# Allegro board CATALYSTK_260108.brd (continued)
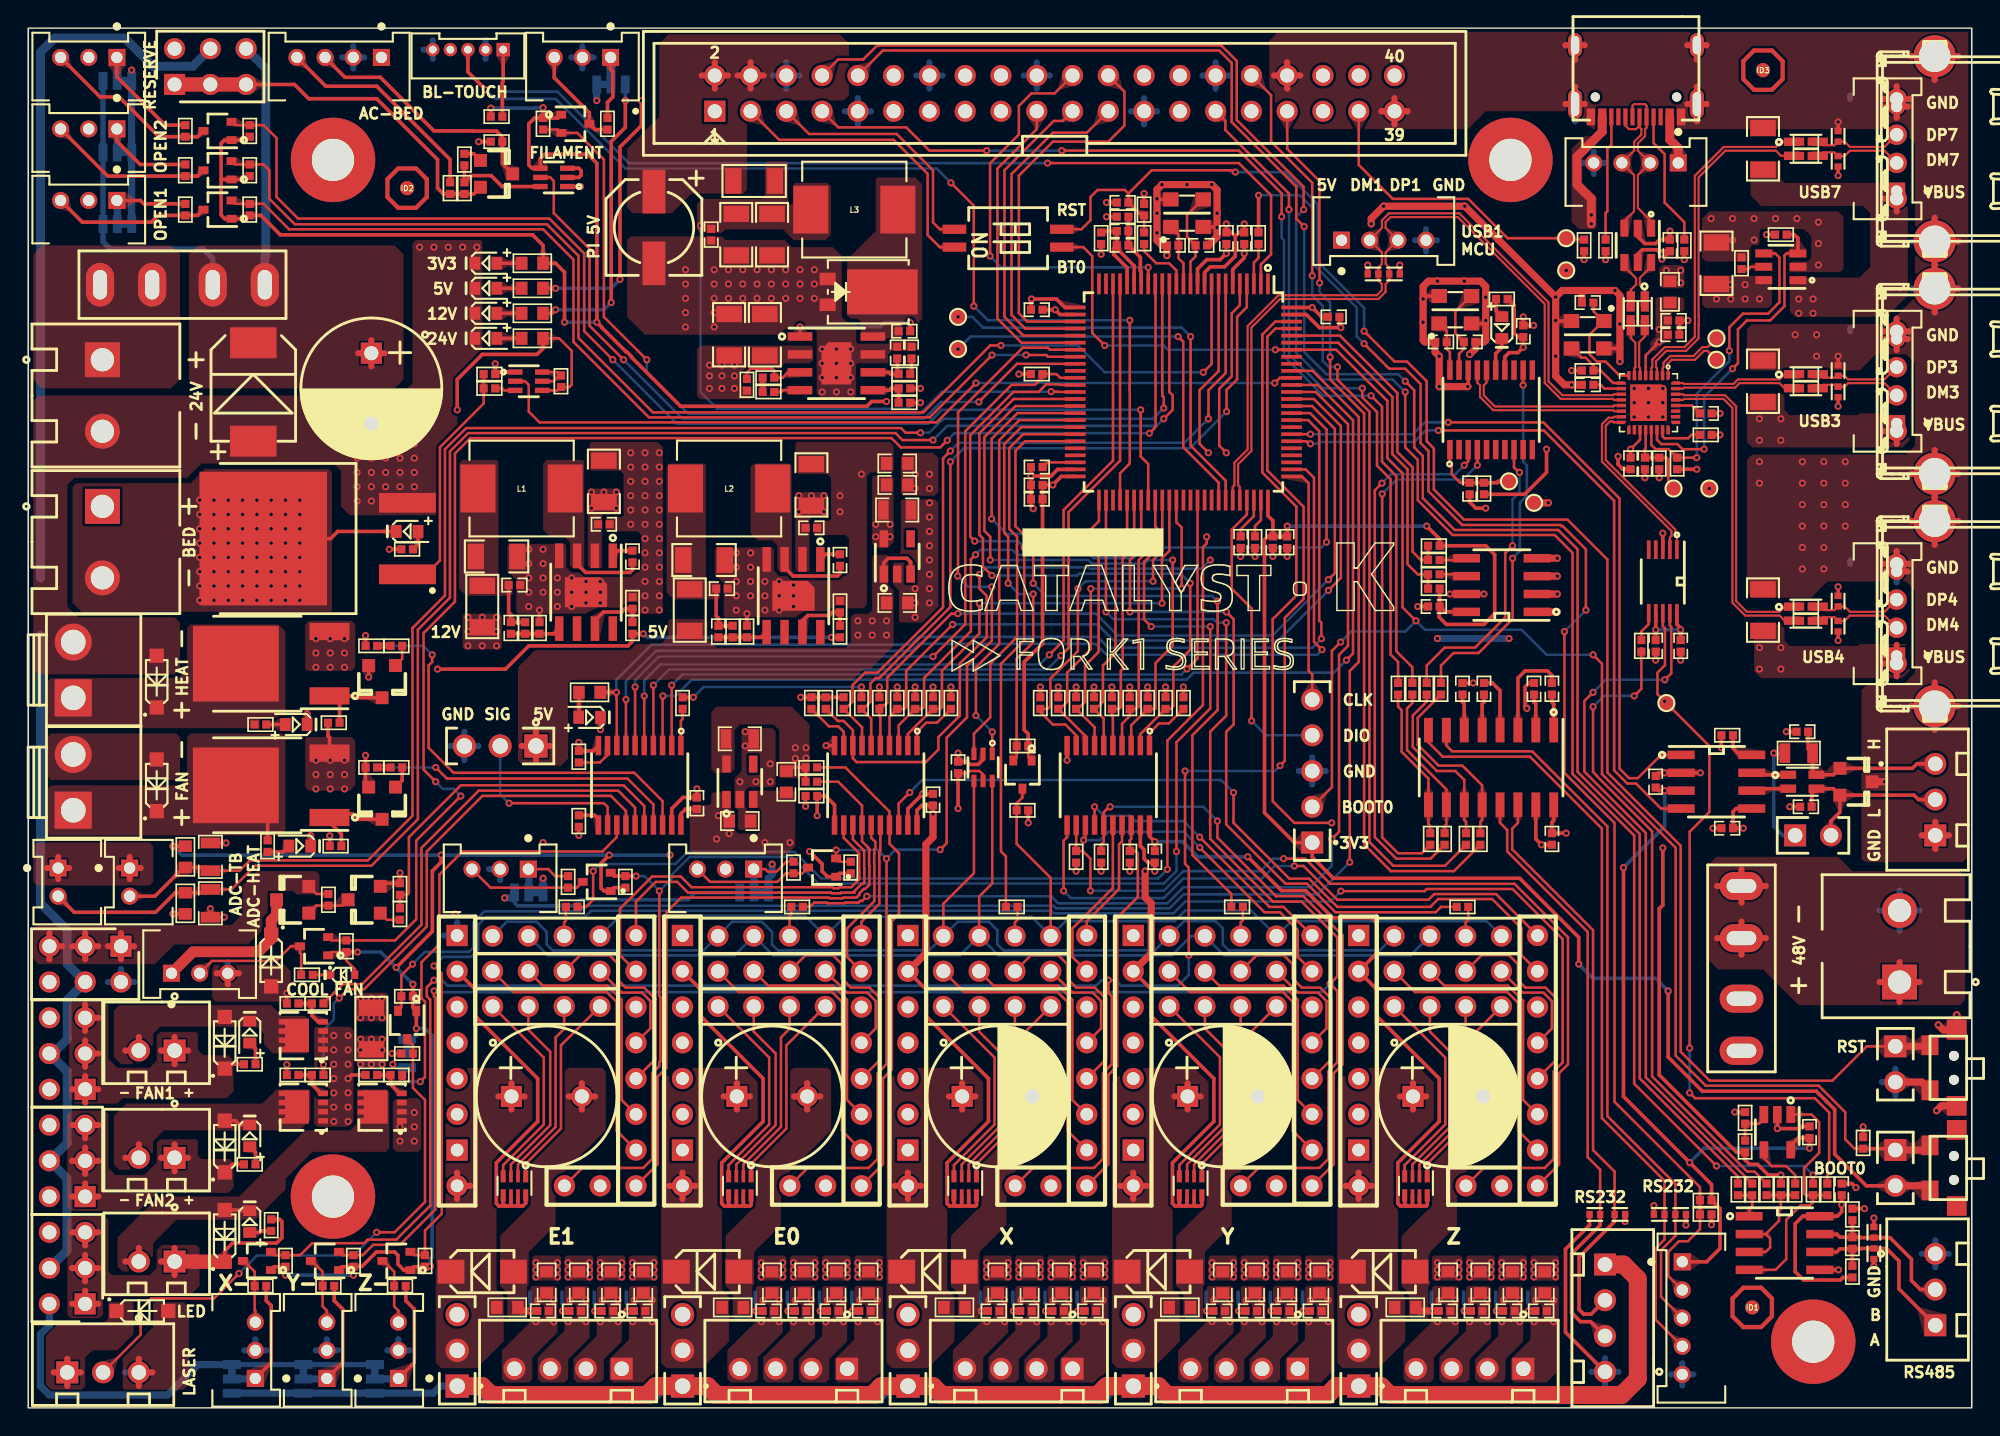
[diagram p0: board, top side]
## Routing (per net, layer and track width the routed paths; a pad name or vN(x,y) marks a point on that pad's centre or on a via; arc(x,y) is an arc through that point) (continued)
N297731: length 50.5
  TOP w0.178: v1(91.04,68.48) 90.91,68.48 90.73,68.66 U7.81 ; v1(100.12,69.43) 107.61,69.43 112.61,64.43 112.61,45.28 113.54,44.35 114.16,44.35 115.93,42.57 U15.4
  BOTTOM w0.178: v1(91.04,68.48) 91.51,68.48 91.64,68.6 98.41,68.6 99.23,69.43 v1(100.12,69.43)
N298795: length 8.9
  TOP w0.178: MD1.8 75.16,34.56 77.45,36.85 77.45,40.03 77.67,40.24 U9.17
N298801: length 12
  TOP w0.178: U9.16 77.02,36.93 74.14,34.05 74.14,32.03 MD1.7
N298807: length 27.6
  TOP w0.178: U9.18 78.32,40.41 78.21,40.31 R139.2 78.63,39.55 78.79,39.39 78.79,36.28 77.33,34.82 77.33,24.28 76.69,23.64 76.69,17.3 MD1.1
N298813: length 46.7
  TOP w0.178: U7.37 73.24,72.66 73.2,72.7 72.28,72.7 71.74,72.16 69.96,72.16 66.89,69.09 66.89,61.88 v1(67.21,61.56) ; R140.1 69.42,39.17 69.07,39.52 69.07,52.85 70.72,54.51 v1(70.72,61.11)
  BOTTOM w0.178: v1(70.72,61.11) 70.27,61.56 v1(67.21,61.56)
N299606: length 20.5
  TOP w0.178: MD2.8 89.13,35.58 88.13,35.58 v1(83.18,40.54) ; U9.14 v1(75.71,42.69)
  BOTTOM w0.178: v1(83.18,40.54) 82.04,41.68 78.6,41.68 78.21,42.06 76.35,42.06 v1(75.71,42.69)
N299612: length 22.8
  TOP w0.178: U9.13 75.06,40.46 v1(74.94,40.33) ; MD2.7 90.14,32.03 90.14,33.94 88.88,35.2 87.78,35.2 v1(83.19,39.79)
  BOTTOM w0.178: v1(83.19,39.79) 82.06,40.92 76.69,40.92 76.11,40.33 v1(74.94,40.33)
N299618: length 43.1
  TOP w0.178: v1(76.82,42.69) 76.76,42.69 76.37,42.3 U9.15 76.37,40.2 76.18,40.02 R142.2 ; v1(84.44,41.68) 84.44,40.5 88.6,36.34 90.53,36.34 93.33,33.55 93.33,24.41 92.69,23.77 92.69,17.3 MD2.1
  BOTTOM w0.178: v1(84.44,41.68) 83.42,42.69 v1(76.82,42.69)
N299624: length 51.7
  TOP w0.178: R143.1 85.42,36.5 82.66,39.27 82.66,47.77 84.45,49.57 84.45,56.81 84.44,56.83 v1(84.44,57.3) ; v1(71.36,58.57) 71.36,61.36 70.1,62.62 70.1,67.98 70.78,68.66 U7.45
  BOTTOM w0.178: v1(84.44,57.3) 84.07,57.67 72.25,57.67 72.25,57.68 v1(71.36,58.57)
N301769: length 49.8
  TOP w0.178: U7.57 79.02,61.03 78.23,60.23 v1(78.23,56.54) ; R152.1 100.31,35.58 99.93,35.2 92.82,35.2 90.79,37.23 89.27,37.23 85.06,41.44 85.06,48.02 85.59,48.55 85.59,56.02 v1(85.07,56.54)
  BOTTOM w0.178: v1(78.23,56.54) v1(85.07,56.54)
N301775: length 61.1
  TOP w0.178: MD5.1 108.69,17.3 108.69,23.77 109.33,24.41 109.33,33.42 105.53,37.22 92.45,37.22 90.66,39.01 v1(89.14,39.01) ; U9.12 74.41,40.07 74.4,40.06 R151.2 74.88,39.55 75.42,39.01 v1(75.42,36.73)
  BOTTOM w0.178: v1(89.14,39.01) 88.37,39.01 87.49,38.12 82.02,38.12 80.63,36.73 v1(75.42,36.73)
N301781: length 42
  TOP w0.178: v1(89.9,38.49) 90.55,38.49 92.95,36.09 99.42,36.09 99.83,36.49 104.22,36.49 MD5.8 ; v1(73.52,36.73) 73.52,40.28 73.76,40.53 U9.11
  BOTTOM w0.178: v1(73.52,36.73) 74.04,36.21 80.61,36.21 82.01,37.6 87.6,37.6 88.49,38.49 v1(89.9,38.49)
N301787: length 56.1
  TOP w0.178: U11.18 61.81,42.92 v1(62.59,43.71) ; MD5.7 106.03,32.15 106.03,34.06 103.95,36.14 100.11,36.14 99.55,35.58 92.95,35.58 90.94,37.59 89.55,37.59 85.58,41.55 v1(85.58,43.71)
  BOTTOM w0.178: v1(62.59,43.71) 63.48,44.6 84.69,44.6 v1(85.58,43.71)
N303395: length 76
  TOP w0.178: v1(59.55,36.34) 59.21,36 59.07,36 58.95,35.89 58.02,35.89 57.97,35.84 56.76,35.84 56.71,35.89 55.81,35.89 55.51,35.58 R146.1 ; U7.88 91.42,72.16 93.71,69.87 93.71,54.12 93.07,53.49 93.07,40.92 v1(92.57,40.41)
  BOTTOM w0.178: v1(92.57,40.41) 92.57,38.5 91.04,36.98 82.02,36.98 80.88,35.84 73.13,35.84 72.63,36.34 v1(59.55,36.34)
N303405: length 34.4
  TOP w0.178: MD3.1 60.69,17.3 60.69,23.39 61.32,24.03 61.32,34.57 61.83,35.07 61.83,39.39 61.16,40.07 U11.17 61.16,42.35 58.02,45.49 R145.2
N303411: length 8.4
  TOP w0.178: U11.16 60.51,39.59 60.43,39.52 60.43,39.24 60.42,39.23 60.42,38.8 60.43,38.78 60.43,35.8 59.16,34.52 MD3.8
N303417: length 11.8
  TOP w0.178: U11.15 59.86,40.49 60.15,40.2 60.15,39.74 60.08,39.67 60.08,39.39 60.07,39.38 60.07,38.65 60.08,38.64 60.08,35.99 58.14,34.05 58.14,32.03 MD3.7
N304332: length 89.4
  TOP w0.178: v1(40.11,38.12) 40.11,36.09 39.61,35.58 R149.1 ; v1(83.8,67.84) 83.17,68.48 83.17,72.29 84.52,73.64 U7.8 ; v1(80.88,38.25) 80.88,47.39 83.41,49.92 83.41,61.13 83.68,61.4 v1(83.68,61.87)
  ART03 w0.178: v1(83.68,61.87) 83.68,62.34 83.8,62.47 v1(83.8,67.84)
  BOTTOM w0.178: v1(40.11,38.12) 40.62,38.63 45.96,38.63 46.82,39.49 54.4,39.49 56.29,37.6 80.21,37.6 80.22,37.61 80.25,37.61 v1(80.88,38.25)
N304338: length 45.4
  TOP w0.178: MD4.1 44.69,17.3 44.69,23.52 45.32,24.15 45.32,35.2 46.36,36.24 56.86,36.24 56.91,36.2 57.83,36.2 57.87,36.24 58.8,36.24 58.92,36.36 58.93,36.36 59.02,36.46 59.02,36.56 59.33,36.86 59.43,36.86 59.65,37.08 59.65,37.09 59.65,37.09 59.65,37.09 59.72,37.17 59.72,38.49 59.71,38.5 59.71,39.52 59.72,39.54 59.72,39.68 59.65,39.75 59.65,39.79 59.2,40.24 U11.14 59.2,42.78 57.51,44.47 R148.2
N304344: length 24.3
  TOP w0.178: U11.13 58.55,40.38 59.29,39.65 59.29,39.61 59.35,39.54 59.35,38.35 59.37,38.34 59.37,37.32 59.29,37.24 59.29,37.23 59.27,37.22 59.18,37.22 58.67,36.7 58.67,36.61 58.66,36.6 57.73,36.6 57.68,36.55 57.05,36.55 57.01,36.6 46.85,36.6 46.08,37.36 44.56,37.36 43.15,35.96 MD4.8
N304350: length 27.8
  TOP w0.178: MD4.7 42.02,32.15 42.02,35.46 44.31,37.74 46.34,37.74 47.1,36.98 57.13,36.98 57.2,36.91 57.53,36.91 57.6,36.98 58.44,36.98 59.01,37.55 59.01,38.19 59,38.21 59,39.4 57.9,40.49 U11.12
N315848: length 2
  TOP w0.178: U10.6 102,59.2 R34.1
N315870: length 2
  TOP w0.178: R35.1 102,60.22 U10.5
N320178: length 14.7
  TOP w0.254: R87.1 14.26,24.41 D15.1
  TOP w0.432: 10.4,24.42 J25.1 ; J25.1 9.44,25.38 ; J25.1 10.4,26.34 ; J25.1 11.36,25.38 ; J21.3 4.98,25.17 ; J21.3 4.05,24.23 ; J21.3 4.05,26.1 ; J21.5 4.98,27.71 ; J21.5 4.05,28.64 ; J21.5 4.05,26.77 ; J21.1 4.05,23.56 ; J21.1 4.98,22.63 ; J21.1 3.11,22.63 ; J21.1 4.05,21.69
N320190: length 14.8
  TOP w0.254: R88.1 14.52,17.29 D16.1
  TOP w0.432: J22.3 4.05,18.48 ; J22.3 3.11,17.55 ; J22.3 4.98,17.55 ; J22.3 4.05,16.61 ; 3.11,20.09 J22.5 ; J22.5 4.05,19.15 ; J22.5 4.98,20.09 ; J26.1 11.36,17.76 ; J26.1 9.44,17.76 ; J26.1 10.4,18.72 ; J26.1 10.4,16.8 ; J22.1 4.05,15.94 ; J22.1 3.11,15.01 ; J22.1 4.98,15.01
N320362: length 1.9
  TOP w0.432: 6.9,25.38 J25.2 7.86,26.34
N320378: length 3.8
  TOP w0.254: D19.1 15.01,20.1 14.71,20.4 D16.2
  TOP w0.432: 7.86,18.72 J26.2 6.9,17.76
N320394: length 1.7
  TOP w0.254: R87.2 16.14,25.51 D18.2
N320418: length 1.4
  TOP w0.254: D19.2 16.14,18.14 R88.2
N320562: length 2.8
  TOP w0.254: Q10.4 20.6,27.41 20.14,27.87 R91.1 R93.1
N320578: length 2.7
  TOP w0.254: R94.1 R90.1 20.14,22.98 20.79,22.33 Q11.4
N321285: length 23
  TOP w0.254: R89.1 17.86,13.39 18.02,13.23 18.02,12.09 17.64,11.71 14.52,11.71 13.95,11.14 D17.1
  TOP w0.432: J23.5 4.98,12.47 ; J23.5 4.05,11.53 ; J23.5 3.11,12.47 ; 3.11,7.39 J23.1 ; J23.1 4.98,7.39 ; J23.1 4.05,8.32 ; J23.3 4.05,10.86 ; J23.3 3.11,9.93 ; J23.3 4.05,8.99 ; J23.3 4.98,9.93 ; 10.4,9.43 J27.1 ; J27.1 9.44,10.39 ; J27.1 10.4,11.35
  TOP w1.016: D17.1 11.83,10.38 11.81,10.39 J27.1
N321377: length 3.7
  TOP w0.254: D20.1 15.02,14.01 14.97,14.05 D17.2
  TOP w0.432: 6.9,10.39 J27.2 7.86,11.35
N321393: length 1.6
  TOP w0.254: R89.2 16.55,12.57 16.44,12.46 D20.2
N321473: length 2.7
  TOP w0.254: Q12.4 26.38,22.33 25.73,22.98 R92.1 R95.1
N349182: length 1.8
  TOP w0.254: R11.1 D5.2
N350077: length 2.6
  TOP w0.254: U15.7 122.51,44.97 L4.1
N350215: length 2.6
  TOP w0.254: L4.3 122.51,43.98 U15.6
N350345: length 2.4
  TOP w0.254: U15.8 121.52,46.38 121.04,46.86 R116.1
N361875: length 25.8
  TOP w0.178: U8.16 43.74,42.75 42.27,44.22 30.72,44.22 27.03,40.53 27.03,36.57 26.91,36.44 R102.1 R101.2
N362569: length 17.3
  TOP w0.432: 119.92,33.37 F3.1_1 ; F3.1_1 121.65,34.55 ; F3.1_1 121.65,32.18 ; F3.1_1 123.38,33.37 ; 119.92,37.07 F3.1 ; F3.1 121.65,35.89 ; F3.1 121.65,38.25 ; F3.1 123.38,37.07 ; 132.87,28.83 J2.1 ; J2.1 134.29,30.25 ; J2.1 132.87,31.67 ; J2.1 131.45,30.25
N376506: length 20.8
  TOP w0.178: U18.8 105.49,66.8 105.85,66.44 v1(105.89,66.44) ; R103.1 99.3,52.73 100.57,54 102.73,54 104.87,56.14 104.87,60.72 v1(105.39,61.24)
  BOTTOM w0.178: v1(105.89,66.44) 105.89,65.03 105.39,64.54 v1(105.39,61.24)
N376510: length 25.9
  TOP w0.178: v1(105.39,60.35) 105.39,56.03 102.98,53.62 101.2,53.62 100.31,52.73 R104.1 ; U18.12 v1(106.14,72.64)
  BOTTOM w0.178: v1(105.39,60.35) 105.91,60.87 105.91,64.3 106.41,64.79 106.41,66.95 106.14,67.22 v1(106.14,72.64)
N376932: length 38.9
  TOP w0.178: v1(96.12,65.68) 95.61,65.17 95.61,40.54 97.14,39.01 99.58,39.01 100.56,40 R105.1 ; v1(101.96,66.95) 102.24,67.23 U18.3
  BOTTOM w0.178: v1(101.96,66.95) 101.33,66.32 96.76,66.32 v1(96.12,65.68)
N376936: length 37.2
  TOP w0.178: v1(96.13,64.92) 96.13,40.52 97.26,39.39 98.94,39.39 99.55,40 R106.1 ; v1(102.89,66.95) U18.4
  BOTTOM w0.178: v1(102.89,66.95) 101.88,65.94 97.15,65.94 v1(96.13,64.92)
N378040: length 51.9
  TOP w0.178: v1(117.97,22.37) 118.35,21.99 126.86,21.99 127.87,20.98 127.87,17.42 127.74,17.29 R111.1 ; v1(117.97,25.55) 117.97,40.92 119.36,42.31 119.36,47.01 T5.1 ; v1(116.19,50.19) 115.68,50.7 115.68,52.22 116.21,52.75 116.21,55.37 116.06,55.52 U17.8
  BOTTOM w0.178: v1(117.97,25.55) v1(117.97,22.37)
N378044: length 50.5
  TOP w0.178: v1(116.2,51.71) 116.66,52.17 116.66,55.46 116.56,55.56 U17.9 ; R109.1 122.41,15.93 114.85,23.48 114.85,40.83 110.49,45.2 110.49,50.21 v1(111.11,50.82)
  BOTTOM w0.178: v1(111.11,50.82) 112,51.71 v1(116.2,51.71)
N378050: length 46.1
  TOP w0.178: v1(114.03,50.57) 114.54,51.08 R156.1 114.54,53.97 ; v1(111.11,49.81) 111.11,45.17 111.39,44.89 111.39,44.86 115.3,40.95 115.3,23.54 122.05,16.79 122.57,16.79 123.42,15.93 R171.1
  BOTTOM w0.178: v1(114.03,50.57) 111.87,50.57 v1(111.11,49.81)
N378747: length 17.6
  TOP w0.178: 65.78,83.72 64.73,83.72 64.24,84.2 64.24,87.91 61.67,90.48 55.44,90.48 J33.5
N378751: length 21
  TOP w0.178: J33.3 53.32,90.07 61.45,90.07 63.86,87.65 63.86,83.31 64.73,82.45 SW1.4
N383272: length 53.9
  TOP w0.178: v1(72.63,72.18) 73.1,72.18 73.12,72.16 U7.38 ; R136.2 37.61,90.8 Q25.2 38.99,90.56 40.88,88.67 40.88,77.49 v1(43.92,74.44)
  BOTTOM w0.178: v1(72.63,72.18) 64.9,72.18 63.33,70.61 46.87,70.61 43.92,73.56 v1(43.92,74.44)
N383366: length 71.6
  TOP w0.178: U7.33 72.41,74.66 72.29,74.78 v1(70.85,74.78) ; v1(68.44,74.78) 64.01,70.36 44.08,70.36 38.71,75.72 38.71,81.56 36.56,83.72 18.52,83.72 16.72,85.52 R127.2 14.68,85.52 Q21.2
  BOTTOM w0.178: v1(70.85,74.78) v1(68.44,74.78)
N383372: length 90.3
  TOP w0.178: Q23.2 14.68,88.32 R132.2 16.72,88.32 17.13,87.91 17.13,85.87 18.93,84.07 36.83,84.07 39.07,81.83 39.07,76 44.36,70.71 63.56,70.71 68.31,75.46 v1(69.07,75.46) ; U7.9 84.02,74.15 v1(83.43,73.56)
  BOTTOM w0.178: v1(83.43,73.56) 76.44,73.56 74.53,75.46 v1(69.07,75.46)
N390609: length 31.2
  TOP w0.178: R81.1 v1(25.26,54.12) R79.2 ; U8.18 45.04,43.1 43.04,45.11 30.21,45.11 28.43,46.89 28.43,52.73 28.68,52.98 v1(28.68,53.49)
  BOTTOM w0.178: v1(25.26,54.12) 28.05,54.12 v1(28.68,53.49)
N390613: length 22.6
  TOP w0.178: U8.17 44.39,42.86 42.55,44.7 29.73,44.7 v1(28.94,45.49)
  TOP w0.254: R80.2 v1(25.26,45.49) R82.1
  BOTTOM w0.178: v1(25.26,45.49) v1(28.94,45.49)
N391838: length 58.8
  TOP w0.178: Q4.2 35.29,72.92 35.54,72.67 35.54,70.76 36.3,70 64.5,70 v1(67.29,72.79) ; v1(88.5,72.79) 88.87,73.16 U7.90
  BOTTOM w0.178: v1(88.5,72.79) v1(67.29,72.79)
N395083: length 117.8
  TOP w0.178: v1(80.63,70.25) 81.26,70.89 81.26,71.92 81.02,72.15 U7.15 ; C74.1 14.43,36.82 16.11,38.5 24.37,38.5 27.67,41.81 27.67,55.27 29.95,57.55 29.95,67.94 31.24,69.24 61.58,69.24 62.07,68.74 v1(64.24,68.74)
  TOP w0.254: J39.2 3.27,35.2 9.05,35.2 10.44,36.59 R117.2 12.71,36.59 C74.1
  BOTTOM w0.178: v1(64.24,68.74) 65.25,69.75 80.12,69.75 v1(80.63,70.25)
N395373: length 111
  TOP w0.178: C75.1 15,38.15 15.73,38.88 24.11,38.88 27.29,42.06 27.29,55.39 29.59,57.7 29.59,68.09 31.1,69.59 61.97,69.59 62.3,69.26 v1(63.36,69.26) ; v1(80.63,71.02) 80.63,71.78 80.52,71.88 U7.16
  TOP w0.254: C75.1 12.71,38.38 R122.2 11.04,38.38 9,36.34 J42.2
  BOTTOM w0.178: v1(80.63,71.02) 79.87,70.25 64.97,70.25 63.98,69.26 v1(63.36,69.26)
N395391: length 86.2
  TOP w0.178: Q24.2 14.68,91.11 R134.2 16.72,91.11 17.64,90.19 17.64,86 19.16,84.48 37,84.48 39.48,82 39.48,76.48 v1(41.51,74.44) ; v1(78.99,70.89) 78.99,67.57 79.52,67.04 U7.58
  BOTTOM w0.178: v1(41.51,74.44) 46.06,69.9 63.89,69.9 64.88,70.89 v1(78.99,70.89)
N395401: length 73.1
  TOP w0.178: v1(67.14,78.25) 67.14,85.39 v1(65.51,87.02) ; v1(78.21,77.25) 78.21,72.77 78.2,72.76 78.2,72.32 78.21,72.31 78.21,67.08 77.52,66.39 U7.54
  TOP w0.254: J46.3 31.22,94.89 v1(32.49,93.62)
  BOTTOM w0.178: v1(67.14,78.25) 68.14,77.25 v1(78.21,77.25) ; v1(32.49,93.62) 33.14,92.97 37.46,92.97 42.4,88.03 64.5,88.03 v1(65.51,87.02)
N395405: length 69
  TOP w0.178: v1(72.37,88.41) 85.96,88.41 88.25,86.13 88.25,81.94 87.52,81.21 U7.2
  TOP w0.254: R129.2 v1(33.67,93.49) 33.67,94.16 33.72,94.21 J46.1
  BOTTOM w0.178: v1(72.37,88.41) 42.65,88.41 37.57,93.49 v1(33.67,93.49)
N396885: length 1.8
  TOP w0.254: R38.1 39.11,49.07 D7.2
N412668: length 3
  TOP w0.178: R107.1 87.36,81.68 87.03,81.35 U7.3
N664616: length 9.2
  TOP w0.254: C16.1 v1(62.62,77.08) ; 54.8,76.1 v1(54.8,76.78)
  BOTTOM w0.254: v1(62.62,77.08) 60.78,77.08 60.48,76.78 v1(54.8,76.78)
N664854: length 2.9
  TOP w0.254: R13.1 R15.2 61.26,72.41 61.13,72.29 U4.5
N664932: length 5.1
  TOP w0.178: 51.04,73.08 R14.1 51.04,73.56 51.29,73.81 52.84,73.81 52.97,73.68 R18.2 53.58,73.17 53.96,73.56 U4.3
N664940: length 3
  TOP w0.254: U4.6 61.1,73.56 61.23,73.43 R16.2 61.7,73.53 C23.1
N664972: length 1.9
  TOP w0.178: R17.2 53.48,72.16 53.6,72.29 U4.4
N696317: length 4
  TOP w0.178: R25.2 82.02,49.65 80.99,48.62 80.29,48.62 79.62,47.95 U9.1
N713891: length 9.6
  TOP w0.178: J10.A5 115.4,89.83 116.19,89.05 116.19,85.62 117.58,84.22 R56.2
N713907: length 3.7
  TOP w0.152: D8.6 115.23,81.06 114.43,80.26 114.43,79.76 114.78,79.41 L5.1 114.79,78.73 R55.2
N713987: length 8.9
  TOP w0.178: R58.2 112,84.86 112.12,84.99 112.12,89.43 112.41,89.71 J10.B5
N714023: length 3.7
  TOP w0.152: 114.17,79.79 113.79,79.41 L5.3 113.77,78.73 R57.2 ; 114.17,79.79 114.17,80.23 113.33,81.06 D8.4 ; 114.17,79.79 114.17,79.78
N723301: length 4.1
  TOP w0.178: U11.1 63.11,48.01 63.76,48.66 64.53,48.66 65.51,49.65 R39.2
N735998: length 42.5
  TOP w0.178: U13.14 105.77,41.55 105.37,41.15 105.37,39.67 111.11,33.93 111.11,18.31 112.64,16.78 D25.1
  TOP w0.254: D25.1 112.64,13.23 110.12,10.71 110.12,6.98 110.44,6.65 110.97,6.65 J35.2
N736004: length 42.9
  TOP w0.178: U13.13 104.5,41.55 105.01,41.04 105.01,39.52 110.73,33.81 110.73,17.8 111.61,16.92 D24.1
  TOP w0.254: J35.3 110.94,6.12 110.22,6.12 109.58,6.75 109.58,10.95 111.61,12.98 D24.1
N736010: length 52.9
  TOP w0.178: U13.7 100.69,47.05 101.11,46.63 106.79,46.63 112.12,41.3 112.12,20.72 116.95,15.89 D27.1 116.95,12.22 115.93,11.2 115.93,7.88 J36.3
N736014: length 55.4
  TOP w0.178: J36.4 115.55,6.26 115.55,11.33 116.18,11.96 D26.1 116.18,16.13 111.74,20.58 111.74,41.14 106.63,46.25 100.44,46.25 99.42,47.27 U13.8
N737390: length 2.6
  TOP w0.254: 103.23,48.14 103.23,50 103.36,50.12 C66.2
N737394: length 4.2
  TOP w0.254: U13.4 104.5,50.95 103.96,51.49 C66.1
N737410: length 2.6
  TOP w0.254: C64.1 108.19,50.12 108.31,50 108.31,48.14
N737434: length 7
  TOP w0.254: U13.3 105.77,51.84 106.28,52.35 107.87,52.35 108.19,52.03 C64.2
N737737: length 2.6
  TOP w0.254: U13.2 107.04,50 106.92,50.12 C65.1
N737925: length 2.6
  TOP w0.254: C67.1 101.84,50.12 101.96,50 U13.6
N739507: length 102.9
  TOP w0.178: v1(109.08,55.14) 109.08,45.1 112.63,41.55 112.63,21.74 118.7,15.67 R159.1 R160.2 118.7,12.69 117.84,11.83 117.2,11.83 116.44,11.07 116.44,9.37 J36.2 ; v1(94.85,75.59) 96.63,73.81 97.77,73.81 98.86,72.72 98.86,68.53 99.42,67.97 99.42,65.1 101.81,62.71 108.78,62.71 108.86,62.63 108.95,62.63 110.6,60.98 v1(110.6,56.66)
  TOP w0.254: R107.2 v1(87.36,86.13)
  BOTTOM w0.178: v1(110.6,56.66) v1(109.08,55.14) ; v1(87.36,86.13) 90.28,86.13 91.17,85.24 91.17,81.3 94.33,78.14 94.33,76.11 v1(94.85,75.59)
N757369: length 7.8
  TOP w0.254: R114.1 v1(123.93,46.5)
  BOTTOM w0.254: v1(123.93,46.5) 123.93,41.3 124.57,40.66 J66.1
N767671: length 4.2
  TOP w0.178: 123.24,18.58 U19.4 123.24,17.74 123.81,17.17 124.83,17.17 125.46,16.54 R162.1
N795197: length 11.9
  TOP w0.178: Q14.2 20.46,36.5 R98.1
  TOP w0.432: J28.3 4.98,32.79 ; J28.3 3.12,32.79 ; J28.3 4.05,33.72 ; J28.3 4.05,31.86 ; 6.59,31.86 J28.1 ; J28.1 7.52,32.79 ; J28.1 6.59,33.72 ; J28.1 5.66,32.79 ; J28.5 2.44,32.79 ; J28.5 1.51,31.86 ; J28.5 1.51,33.72
N795252: length 11
  TOP w0.762: Q14.3 17.64,35.01 17.25,34.63 D22.1 17.25,33.29 16.36,32.4 11.7,32.4 J29.1
N795325: length 3.2
  TOP w0.178: Q16.3 22.3,35.68 R98.2 20.46,35.68 Q14.1
N795481: length 1.6
  TOP w0.178: Q16.1 25.48,34.66 R101.1
N823676: length 1.3
  TOP w0.178: D21.1 R96.1
N823970: length 4.8
  TOP w0.178: J40.3 16.13,6.91 16.08,6.95 R119.2 16.08,9.67 15.32,10.44 Q17.3
N825218: length 9.2
  TOP w0.254: J40.1 17.25,3.22 17.25,7.26 16.9,7.61 R119.1
  BOTTOM w0.508: 14.46,2.44 JP8.2 16.09,2.05 J40.1
N825911: length 1.2
  TOP w0.254: R77.2 17,41.53
N826035: length 5.9
  TOP w0.254: 21.7,50.57 22.11,50.16 R73.2 ; 21.7,50.57 Q2.1 ; 21.7,50.57 23.06,50.57 23.19,50.44 Q6.3
N826051: length 6.5
  TOP w0.254: Q7.3 23.44,41.81 23.06,42.19 21.39,42.19 Q3.1 21.39,41.6 22.24,40.76 R74.2
N826223: length 1.7
  TOP w0.254: R77.1 18.1,39.49 D14.2
N826332: length 9.3
  TOP w0.254: R124.1 21.73,7.61 22.33,7.01 22.33,3.22 J43.1
  BOTTOM w0.508: J43.1 21.17,2.05 JP11.2 19.54,2.44
N826351: length 1.6
  TOP w0.178: Q6.1 26.56,53.2 R79.1
N826367: length 1.6
  TOP w0.254: Q7.1 26.56,44.57 R80.1
N826430: length 4.9
  TOP w0.178: Q19.3 20.14,10.44 20.91,9.67 R124.2 20.91,7.21 21.21,6.91 J43.3
N826862: length 1.4
  TOP w0.254: D10.2 27.68,61.35 R71.1
N826938: length 9.7
  TOP w0.254: D10.1 21.98,62.25 21.47,61.74 Q5.3
  vias: v1(12.17,64.47) v1(12.17,63.46) v1(12.17,62.44) v1(12.17,61.42) v1(12.17,60.41) v1(12.17,59.39) v1(12.17,58.38) v1(12.17,57.36) v1(13.19,64.47) v1(13.19,63.46) v1(13.19,62.44) v1(13.19,61.42) v1(13.19,60.41) v1(13.19,59.39) v1(13.19,58.38) v1(13.19,57.36) v1(14.21,64.47) v1(14.21,63.46) v1(14.21,62.44) v1(14.21,61.42) v1(14.21,60.41) v1(14.21,59.39) v1(14.21,58.38) v1(14.21,57.36) v1(15.22,64.47) v1(15.22,63.46) v1(15.22,62.44) v1(15.22,61.42) v1(15.22,60.41) v1(15.22,59.39) v1(15.22,58.38) v1(15.22,57.36) v1(16.24,64.47) v1(16.24,63.46) v1(16.24,62.44) v1(16.24,61.42) v1(16.24,60.41) v1(16.24,59.39) v1(16.24,58.38) v1(16.24,57.36) v1(17.25,64.47) v1(17.25,63.46) v1(17.25,62.44) v1(17.25,61.42) v1(17.25,60.41) v1(17.25,59.39) v1(17.25,58.38) v1(17.25,57.36) v1(18.27,64.47) v1(18.27,63.46) v1(18.27,62.44) v1(18.27,61.42) v1(18.27,60.41) v1(18.27,59.39) v1(18.27,58.38) v1(18.27,57.36) v1(19.29,64.47) v1(19.29,63.46) v1(19.29,62.44) v1(19.29,61.42) v1(19.29,60.41) v1(19.29,59.39) v1(19.29,58.38) v1(19.29,57.36)
N826992: length 2.9
  TOP w0.178: Q4.5 37.28,72.92 37.7,73.33 R72.1 37.59,73.57 Q4.6
N827062: length 1.5
  TOP w0.178: Q4.3 33.81,72.27 33.67,72.41 R75.1
N827068: length 17.5
  TOP w0.178: R78.1 R75.2 32.34,71.34 29.24,68.23 29.24,60.19 28.25,59.2 Q5.1 26.68,59.2
N827093: length 9.3
  TOP w0.254: R131.1 26.81,7.61 27.41,7.01 27.41,3.22 J47.1
  BOTTOM w0.508: J47.1 26.25,2.05 JP13.2 24.62,2.44
N827191: length 4.9
  TOP w0.178: J47.3 26.29,6.91 25.99,7.21 R131.2 25.99,9.67 25.22,10.44 Q22.3
N827446: length 2.7
  TOP w0.178: U8.1 46.34,48.8 46.46,48.92 R19.2
N828645: length 6.7
  TOP w0.432: J31.1 2.78,3.48 ; J31.1 1.82,2.52 ; J31.1 3.74,2.52 ; J31.1 2.78,1.56
  BOTTOM w0.432: J31.1 2.78,3.48 ; J31.1 1.82,2.52 ; J31.1 3.74,2.52
  vias: v1(23.6,26.18) v1(23.6,25.42) v1(23.6,24.41) v1(24.37,26.18) v1(24.37,24.41) v1(25.13,26.18) v1(25.13,25.42) v1(25.13,24.41)
N828831: length 5.2
  TOP w0.178: R121.1 53.83,38.79 53.14,38.09 52.5,38.09 52.33,38.27 J41.1
  BOTTOM w0.254: JP9.2 N3.1
  BOTTOM w0.508: JP9.2 51.54,38.23 J41.1
N828929: length 8.7
  TOP w0.178: Q18.3 54.96,37.97 R121.2 53.8,37.97 53.2,37.36 48.42,37.36 J41.3
N829638: length 2.1
  TOP w0.178: R100.1 v1(25.83,25.17)
  BOTTOM w0.254: N1.1 JP7.2 v1(25.83,25.17)
N829683: length 5.1
  TOP w0.178: J44.1 36.92,38.27 37.41,37.77 R126.1
  BOTTOM w0.508: J44.1 35.54,38.23 JP10.2 N4.1
N829728: length 41
  TOP w0.178: v1(24.75,12.47) 26.02,12.47 28.18,14.63 28.18,21.87 27.32,22.73 R100.2 27.32,25.79 Q15.3 ; J31.2 7.98,5.19 7.98,7.01 8.75,7.77 13.19,7.77 v1(14.97,9.55)
  BOTTOM w0.178: v1(14.97,9.55) 16.24,10.82 23.1,10.82 v1(24.75,12.47)
N829781: length 8.6
  TOP w0.178: Q20.3 38.96,36.95 R126.2 32.83,36.95 J44.3
N830155: length 1.9
  TOP w0.254: R22.2 40.21,42.09 40.49,41.81 U8.11
N830719: length 2.9
  TOP w0.178: R23.1 40.59,45.84 41.14,46.39 U8.9
N831870: length 3.9
  TOP w0.178: R49.1 55.61,49.65 56.85,48.41 57.51,48.41 57.9,48.02 U11.9
N831902: length 4.3
  TOP w0.254: U11.11 57.25,42.82 56.62,43.46 R46.2 v1(56.02,42.06)
N832094: length 7
  TOP w0.254: J45.1 7.97,85.76 8.21,85.52 R128.1
  BOTTOM w0.508: J45.1 6.33,85.73 JP12.2 N6.1
N832192: length 11.2
  TOP w0.254: Q21.3 12.04,84.7 R128.2 9.22,84.7 8.75,84.22 3.84,84.22 J45.3
N833636: length 8.5
  TOP w0.254: R133.1 7.95,88.32 6.3,89.97 J48.1
  BOTTOM w0.508: N8.1 JP14.2 6.33,90.81 J48.1
N833752: length 11.7
  TOP w0.254: J48.3 5.65,87.5 R133.2 12.04,87.5 Q23.3
N834017: length 9.7
  TOP w0.254: J49.1 6.3,94.54 9.73,91.11 R135.1
  BOTTOM w0.508: N10.1 JP16.2 6.33,95.89 J49.1
N834133: length 12.7
  TOP w0.254: J49.3 5.11,93.11 6.46,93.11 9.28,90.29 R135.2 12.04,90.29 Q24.3
N834964: length 6.8
  TOP w0.254: R137.1 41.13,92.73 41.51,93.11 41.51,94.9 41.35,95.06 J50.1
  BOTTOM w0.254: N9.1 JP15.2
  BOTTOM w0.635: J50.1 41.38,95.89 JP15.2
N835086: length 7.2
  TOP w0.254: R137.2 40.25,90.8 Q25.3 39.84,91.99 37.35,94.48 J50.3
N841891: length 7.1
  TOP w0.254: Q8.6 33.65,86.75 32.88,87.53 31.45,87.53 R83.1 R85.1
N841899: length 26.3
  TOP w0.254: Q9.2 31.64,86.23 R83.2 R84.1 29.48,86.23 29.07,86.64 29.07,88.67 24.75,92.99 19.92,92.99 18.91,94 J20.5
  TOP w1.016: J20.1 J20.3 J20.5
N841991: length 1.3
  TOP w0.254: Q9.1 31.64,89.08 R85.2
N853229: length 2.4
  TOP w0.254: Q8.2 39.1,87.4 39.26,87.56 39.26,87.87 39.08,88.05 Q8.3
N858818: length 1.4
  TOP w0.254: D13.2 R76.1
N897053: length 3.3
  TOP w0.178: R64.2 118.09,69.11 117.85,68.87 116.17,68.87 116.04,69 U12.23
N900690: length 2
  TOP w0.178: U12.28 118.14,71.2 118.7,70.64 C54.1
N900694: length 2.1
  TOP w0.178: U12.10 111.91,72.4 111.64,72.67 C55.1
N904620: length 1.6
  TOP w0.178: U16.5 122.31,81.05 122.16,80.89 R66.2
N924861: length 2.1
  TOP w0.178: R156.2 114.54,55.14 115.06,55.66 U17.6
N932941: length 2.4
  TOP w0.254: U18.15 104.19,74.88 104.63,75.32 D36.1
N932977: length 1.4
  TOP w0.254: D36.2 104.22,77.92 R158.1
N6649961: length 1.2
  TOP w0.254: R16.1 62.72,73.53 C24.1

## Copper pours and planes (outline as drawn; the poured copper is in the pictures)
3V3_MCU on TOP: 62.21,67.84 61.96,67.59 61.96,64.92 62.09,64.79 64.37,64.79 64.63,65.05 64.63,67.46 64.24,67.84
3V3_MCU on ART03: 74.28,81.3 73.77,80.79 73.77,75.46 74.28,74.95 88.76,74.95 89.52,75.71 89.52,80.92 89.01,81.43 84.69,81.43 84.56,81.56 84.56,82.7 84.82,82.95 90.41,82.95 91.42,81.94 91.42,62.51 91.17,62.25 89.14,62.25 88.88,62.51 88.88,70.25 87.36,71.78 75.55,71.78 74.28,70.51 74.28,65.94 73.13,64.79 61.83,64.79 61.45,65.17 61.45,66.7 61.7,66.95 71.36,66.95 72.37,67.97 72.37,81.56 73.64,82.83 76.31,82.83 76.56,82.57 76.56,81.56 76.31,81.3
5.17V on TOP: 53.58,83.72 54.34,82.95 56.62,82.95 57.01,83.33 57.01,86.76 56.75,87.02 54.47,87.02 54.34,86.89 54.34,85.62 54.21,85.49 54.08,85.49 53.96,85.62 53.96,88.41 53.83,88.54 52.43,88.54 52.31,88.41 52.31,86.13 52.05,85.87 47.86,85.87 47.48,85.49 47.48,83.72 47.73,83.46 49.26,83.46 49.51,83.72
+3V3 on TOP: 115.81,80.92 115.81,79.78 116.06,79.52 117.46,79.52 117.58,79.65 117.58,81.05 117.46,81.18 116.06,81.18
+3V3 on TOP: 59.93,61.36 59.93,66.06 60.05,66.19 61.32,66.19 61.45,66.06 61.45,61.49 61.07,61.11 60.18,61.11
+3V3 on ART03: 60.69,66.7 60.69,65.05 61.58,64.16 61.58,59.08 61.32,58.82 57.77,58.82 57.13,58.19 57.13,53.74 58.4,52.47 100.31,52.47 103.23,55.39 103.23,79.78 105.77,82.32 114.16,82.32 115.43,81.05 117.58,81.05 117.97,80.67 117.97,79.52 117.71,79.27 114.16,79.27 113.39,80.03 108.57,80.03 105.27,76.73 105.27,69.11 104.76,68.6 104.76,48.92 105.9,47.77 107.81,47.77 112.63,42.95 122.03,42.95 122.54,42.44 122.54,39.77 122.16,39.39 109.96,39.39 105.52,43.84 90.79,43.84 89.52,45.11 89.52,47.65 87.74,49.43 56.88,49.43 55.86,48.41 55.86,38.63 53.83,36.6 45.58,36.6 45.19,36.98 45.19,39.39 45.45,39.65 48.62,39.65 49.13,39.14 52.31,39.14 53.45,40.28 53.45,46.12 52.69,46.89 52.69,49.3 53.45,50.06 53.45,62.51 53.83,62.89 56.75,62.89 57.26,63.4 57.26,66.57 57.77,67.08 60.31,67.08
+12V on TOP: 30.84,56.28 30.84,54 30.97,53.87 33.51,53.87 33.64,54 33.64,56.28 33.51,56.41 30.97,56.41
+12V on BOTTOM: 33.64,54 33.64,56.41 30.72,59.33 30.72,71.02 28.56,73.17 3.79,73.17 3.03,73.94 3.03,74.06 2.78,74.32 2.78,97.3 2.4,97.69 1.13,97.69 0.36,96.92 0.36,35.71 0.62,35.46 1,35.46 1.51,35.96 1.51,55.27 2.14,55.9 2.14,69.87 3.03,70.76 26.27,70.76 27.92,69.11 27.92,56.54 30.72,53.74 33.38,53.74
